# Allegro board FPGA-FINAL.brd (continued)
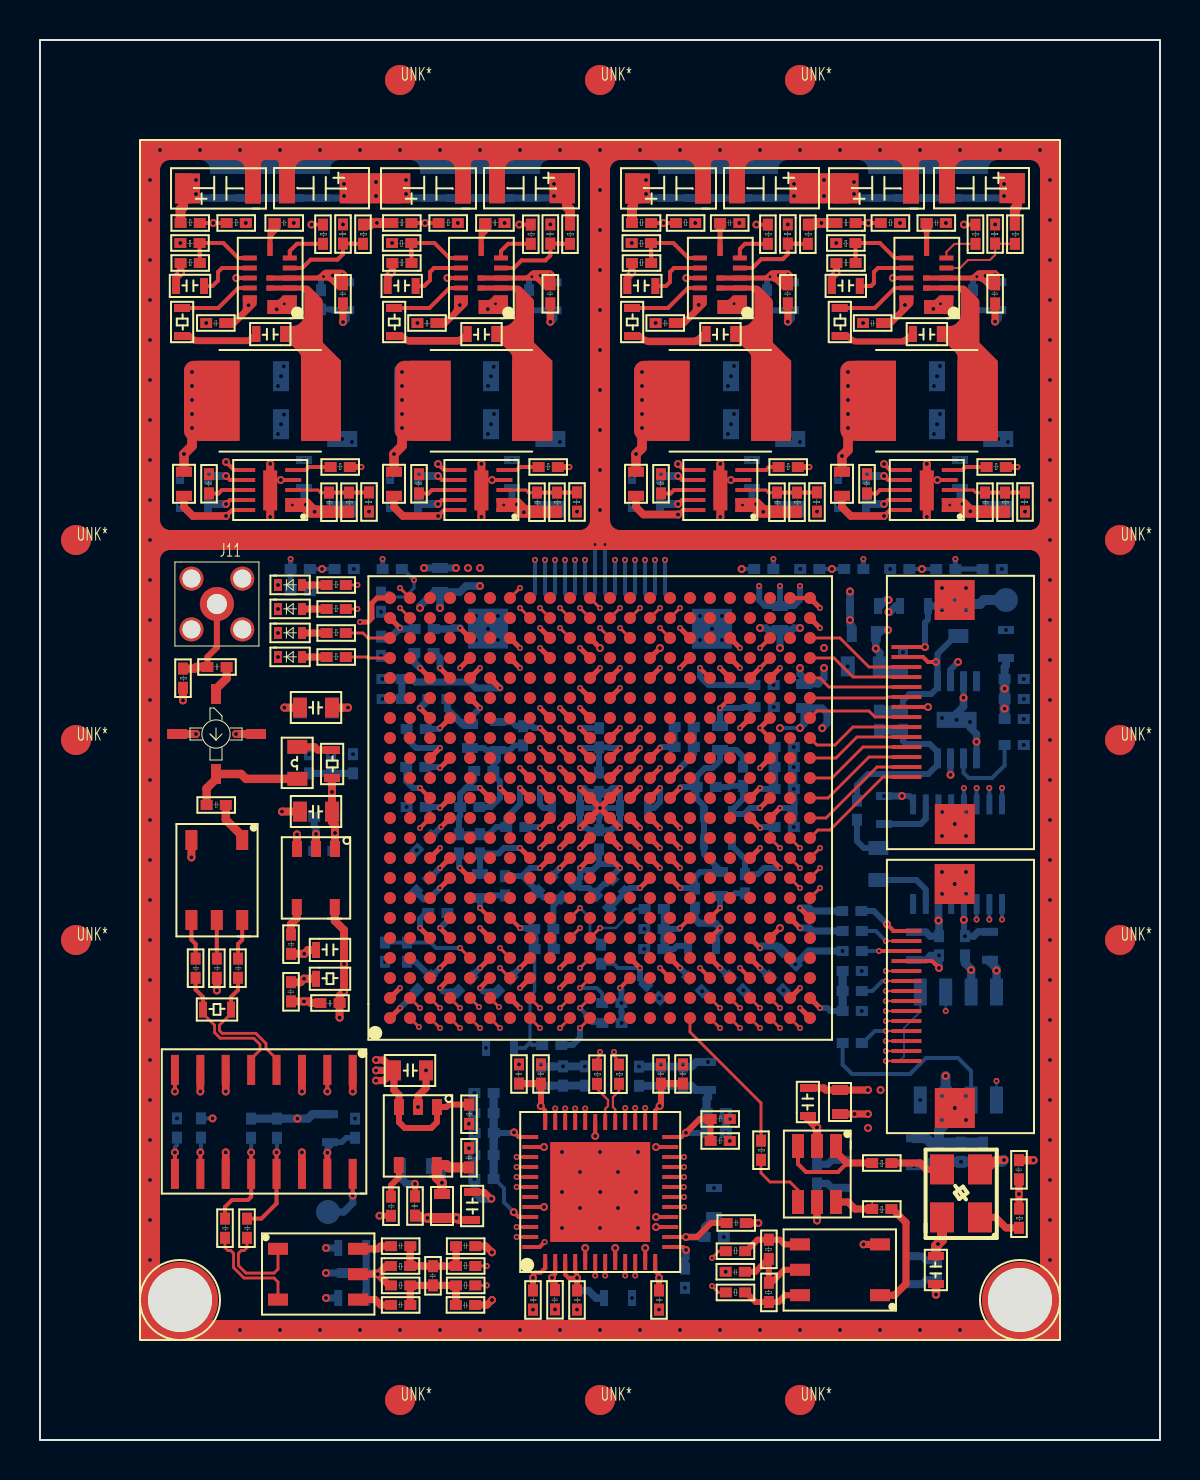
[diagram p0: board, top side]
## Placement (name value [footprint] x y rotation side) (continued)
NOREF#269  -  []  17.28 60.32 90 top
NOREF#270  -  []  38 8.51 90 top
NOREF#271  -  []  37.6 52.4 90 top
NOREF#272  -  []  17.88 14.01 90 top
NOREF#273  -  []  24.19 65.2 0 top
NOREF#274  -  []  11.09 62 0 top
NOREF#275  -  []  30.56 7.94 0 top
NOREF#276  -  []  15.55 42.06 90 top
NOREF#277  -  []  24.9 27.86 90 top
NOREF#278  -  []  29.7 17.39 90 top
NOREF#279  -  []  28.54 28.66 0 top
NOREF#280  -  []  19.66 16.74 0 top
NOREF#281  -  []  41.15 11.16 0 top
NOREF#282  -  []  37.99 17.7 0 top
NOREF#283  -  []  17.77 54.5 0 top
NOREF#284  -  []  5.89 58.3 0 top
NOREF#285  -  []  13.39 29.02 0 top
NOREF#286  -  []  18.01 9.2 90 top
NOREF#287  -  []  39.5 29.91 90 top
NOREF#288  -  []  6.09 47 90 top
NOREF#289  -  []  39.8 47.79 0 top
NOREF#290  -  []  16.41 10.01 0 top
NOREF#291  -  []  26.54 18.86 90 top
NOREF#292  -  []  17.28 58.11 0 top
NOREF#293  -  []  18.54 36.88 90 top
NOREF#294  -  []  7.52 15.62 0 top
NOREF#295  -  []  15.47 39.18 0 top
NOREF#296  -  []  15.35 32.9 0 top
NOREF#297  -  []  23.55 16.8 90 top
NOREF#298  -  []  15.44 21.46 90 top
NOREF#299  -  []  15.81 10.2 90 top
NOREF#300  -  []  9.13 22.01 90 top
NOREF#301  -  []  19.7 23.16 90 top
NOREF#302  -  []  14.27 43.94 90 top
NOREF#303  -  []  21.27 54.89 90 top
NOREF#304  -  []  21.15 21.25 0 top
NOREF#305  -  []  48.56 12.57 90 top
NOREF#306  -  []  20.57 5.58 90 top
NOREF#307  -  []  28.09 32 90 top
NOREF#308  -  []  16.67 37.44 90 top
NOREF#309  -  []  8.06 46.87 90 top
NOREF#310  -  []  16.67 38.22 0 top
NOREF#311  -  []  44.7 51.6 0 top
NOREF#312  -  []  23.19 47.5 90 top
NOREF#313  -  []  20.1 14.91 90 top
NOREF#314  -  []  21.4 15.6 0 top
NOREF#315  -  []  29.77 26.94 90 top
NOREF#316  -  []  37.99 16.1 90 top
NOREF#317  -  []  43.03 13.46 90 top
NOREF#318  -  []  29.77 27.72 0 top
NOREF#319  -  []  15.3 24.1 90 top
NOREF#320  -  []  47.77 36.66 0 top
NOREF#321  -  []  24.47 48.26 90 top
NOREF#322  -  []  45.71 6.6 90 top
NOREF#323  -  []  9.65 21.12 90 top
NOREF#324  -  []  8.17 59.68 0 top
NOREF#325  -  []  40.63 21.1 90 top
NOREF#326  -  []  33.55 61.24 0 top
NOREF#327  -  []  29.12 31.95 90 top
NOREF#328  -  []  33.97 32.26 0 top
NOREF#329  -  []  14.2 35.41 0 top
NOREF#330  -  []  10.47 59.68 0 top
NOREF#331  -  []  9.18 8.05 90 top
NOREF#332  -  []  12.16 25.73 0 top
NOREF#333  -  []  32.2 55.46 90 top
NOREF#334  -  []  10.05 57.68 90 top
NOREF#335  -  []  11.09 62 90 top
NOREF#336  -  []  28.6 18.17 0 top
NOREF#337  -  []  27.64 17.26 90 top
NOREF#338  -  []  20.63 59.68 90 top
NOREF#339  -  []  14.07 48.26 90 top
NOREF#340  -  []  34.7 31.71 0 top
NOREF#341  -  []  12.35 59.68 90 top
NOREF#342  -  []  18.82 29.83 90 top
NOREF#343  -  []  48.86 45.96 0 top
NOREF#344  -  []  39.6 18.5 0 top
NOREF#345  -  []  42.55 27.8 90 top
NOREF#346  -  []  34.4 54 0 top
NOREF#347  -  []  13.7 63.37 90 top
NOREF#348  -  []  28.7 31.2 90 top
NOREF#349  -  []  13.84 32.87 90 top
NOREF#350  -  []  24.54 35.87 90 top
NOREF#351  -  []  9.3 60.2 0 top
NOREF#352  -  []  14.27 44.72 0 top
NOREF#353  -  []  14.07 49.04 0 top
NOREF#354  -  []  9.73 55.46 90 top
NOREF#355  -  []  45.66 11.85 0 top
NOREF#356  -  []  21.26 16.18 0 top
NOREF#357  -  []  13.25 28.28 0 top
NOREF#358  -  []  16 14.01 0 top
NOREF#359  -  []  28.34 33.83 0 top
NOREF#360  -  []  34.86 26.87 0 top
NOREF#361  -  []  25.13 56.37 0 top
NOREF#362  -  []  24.47 49.04 0 top
NOREF#363  -  []  16.66 38.96 90 top
NOREF#364  -  []  21.59 62 0 top
NOREF#365  -  []  11.9 54 0 top
NOREF#366  -  []  12.8 35.95 90 top
NOREF#367  -  []  43.3 22.3 0 top
NOREF#368  -  []  41.27 25.06 0 top
NOREF#369  -  []  40.69 55.46 0 top
NOREF#370  -  []  33.6 34.3 90 top
NOREF#371  -  []  33.66 38.14 0 top
NOREF#372  -  []  21.1 37.6 0 top
NOREF#373  -  []  42.6 33.9 0 top
NOREF#374  -  []  30.74 59.68 0 top
NOREF#375  -  []  39.5 29.91 0 top
NOREF#376  -  []  35.19 47.5 90 top
NOREF#377  -  []  18.83 34.2 90 top
NOREF#378  -  []  8.5 46.39 90 top
NOREF#379  -  []  34.7 30.31 0 top
NOREF#380  -  []  27.75 24.16 90 top
NOREF#381  -  []  8.06 46.87 0 top
NOREF#382  -  []  36.09 63.6 90 top
NOREF#383  -  []  40.6 34.41 0 top
NOREF#384  -  []  13.98 14.01 90 top
NOREF#385  -  []  39.24 12.37 90 top
NOREF#386  -  []  39.52 60.32 90 top
NOREF#387  -  []  24.7 46.7 90 top
NOREF#388  -  []  35.87 58.71 0 top
NOREF#389  -  []  19 11.72 0 top
NOREF#390  -  []  10.8 35.95 0 top
NOREF#391  -  []  13.56 21.46 0 top
NOREF#392  -  []  41.3 48.61 90 top
NOREF#393  -  []  46.26 59.55 0 top
NOREF#394  -  []  18.11 55.1 90 top
NOREF#395  -  []  40.63 21.1 0 top
NOREF#396  -  []  30.56 4.45 90 top
NOREF#397  -  []  13.87 41.94 0 top
NOREF#398  -  []  45.59 47.5 0 top
NOREF#399  -  []  13.69 62 0 top
NOREF#400  -  []  34.61 18.48 0 top
NOREF#401  -  []  29.42 25.98 0 top
NOREF#402  -  []  37.86 58.71 0 top
NOREF#403  -  []  43.4 61.77 90 top
NOREF#404  -  []  17.19 12.5 0 top
NOREF#405  -  []  12.94 24.95 0 top
NOREF#406  -  []  20.15 21.89 0 top
NOREF#407  -  []  41.8 34.41 0 top
NOREF#408  -  []  6.09 47 0 top
NOREF#409  -  []  13.7 24.91 0 top
NOREF#410  -  []  47.09 23.91 90 top
NOREF#411  -  []  18.69 5.58 0 top
NOREF#412  -  []  15.7 41.87 0 top
NOREF#413  -  []  30.56 4.45 0 top
NOREF#414  -  []  39 41.9 90 top
NOREF#415  -  []  22.4 54 0 top
NOREF#416  -  []  21.61 32.35 0 top
NOREF#417  -  []  23.48 4.46 0 top
NOREF#418  -  []  15.13 28.28 90 top
NOREF#419  -  []  18.99 62 90 top
NOREF#420  -  []  26.46 7.94 0 top
NOREF#421  -  []  11.9 9.56 0 top
NOREF#422  -  []  38.99 45.6 90 top
NOREF#423  -  []  8.86 11.53 90 top
NOREF#424  -  []  39.67 23.06 90 top
NOREF#425  -  []  26.78 34.17 0 top
NOREF#426  -  []  24.66 17.36 0 top
NOREF#427  -  []  25.36 6.07 0 top
NOREF#428  -  []  15.84 45.95 90 top
NOREF#429  -  []  20.57 6.56 90 top
NOREF#430  -  []  39.67 19.46 0 top
NOREF#431  -  []  39.67 25.62 0 top
NOREF#432  -  []  13.72 23.07 90 top
NOREF#433  -  []  29.76 26.72 0 top
NOREF#434  -  []  23.82 6.56 90 top
NOREF#435  -  []  18.31 24.22 90 top
NOREF#436  -  []  0 0 90 top
NOREF#437  -  []  13.12 54.1 90 top
NOREF#438  -  []  36.47 48.26 90 top
NOREF#439  -  []  42.69 62 0 top
NOREF#440  -  []  36.09 65.2 0 top
NOREF#441  -  []  48.27 43.16 0 top
NOREF#442  -  []  12.5 60.2 90 top
NOREF#443  -  []  28.09 33.6 0 top
NOREF#444  -  []  14.76 56.37 90 top
NOREF#445  -  []  43.6 42.11 90 top
NOREF#446  -  []  36.17 43.02 90 top
NOREF#447  -  []  24.01 58.71 0 top
NOREF#448  -  []  47.77 36.66 90 top
NOREF#449  -  []  31.86 5.55 90 top
NOREF#450  -  []  12.68 14.01 90 top
NOREF#451  -  []  15.1 50 90 top
NOREF#452  -  []  30.7 24.3 90 top
NOREF#453  -  []  21.6 25.3 0 top
NOREF#454  -  []  37.64 60.32 0 top
NOREF#455  -  []  40.96 57.68 0 top
NOREF#456  -  []  33.49 62 0 top
NOREF#457  -  []  42.3 60.2 0 top
NOREF#458  -  []  10.11 26 90 top
NOREF#459  -  []  44.01 6.09 90 top
NOREF#460  -  []  47.37 56.37 0 top
NOREF#461  -  []  43.15 25.06 90 top
NOREF#462  -  []  39.65 25.28 0 top
NOREF#463  -  []  7.87 31.36 90 top
NOREF#464  -  []  13.06 32.87 0 top
NOREF#465  -  []  16.06 45.96 90 top
NOREF#466  -  []  33.87 11.24 0 top
NOREF#467  -  []  45.29 62 90 top
NOREF#468  -  []  42.9 43.7 0 top
NOREF#469  -  []  36.35 14.96 90 top
NOREF#470  -  []  12.42 33.83 0 top
NOREF#471  -  []  19.02 59.46 90 top
NOREF#472  -  []  31.27 36.04 90 top
NOREF#473  -  []  32.19 62 90 top
NOREF#474  -  []  13.62 58.71 0 top
NOREF#475  -  []  23.82 8.52 90 top
NOREF#476  -  []  46.87 49.04 0 top
NOREF#477  -  []  17.3 49.41 0 top
NOREF#478  -  []  23.56 17.36 0 top
NOREF#479  -  []  24.46 47.83 0 top
NOREF#480  -  []  47.9 50 90 top
NOREF#481  -  []  15.5 58.71 90 top
NOREF#482  -  []  37.96 56.38 90 top
NOREF#483  -  []  47.37 56.37 90 top
NOREF#484  -  []  30.66 17.36 0 top
NOREF#485  -  []  18.83 34.2 0 top
NOREF#486  -  []  48.86 45.96 90 top
NOREF#487  -  []  31.76 17.36 0 top
NOREF#488  -  []  42.57 55.46 90 top
NOREF#489  -  []  16.25 33.26 90 top
NOREF#490  -  []  40.45 43.16 90 top
NOREF#491  -  []  33.07 15.34 0 top
NOREF#492  -  []  31.01 59.46 90 top
NOREF#493  -  []  37.23 29.3 90 top
NOREF#494  -  []  48.56 12.57 0 top
NOREF#495  -  []  25.6 50 90 top
NOREF#496  -  []  40.96 59.68 0 top
NOREF#497  -  []  13.8 29.55 0 top
NOREF#498  -  []  30.74 57.68 0 top
NOREF#499  -  []  20.5 10.9 90 top
NOREF#500  -  []  41.63 42.38 90 top
NOREF#501  -  []  27.66 22.02 0 top
NOREF#502  -  []  15.1 52.4 90 top
NOREF#503  -  []  29.34 17.35 90 top
NOREF#504  -  []  22.23 14 90 top
NOREF#505  -  []  8.31 22.01 0 top
NOREF#506  -  []  43.55 54.89 90 top
NOREF#507  -  []  42.76 41.45 0 top
NOREF#508  -  []  34.79 63.6 90 top
NOREF#509  -  []  31.63 23.38 90 top
NOREF#510  -  []  27.9 46.39 0 top
NOREF#511  -  []  25.27 57.98 0 top
NOREF#512  -  []  36.7 46.7 90 top
NOREF#513  -  []  24.06 59.55 0 top
NOREF#514  -  []  36.27 32.16 0 top
NOREF#515  -  []  22.4 25.3 90 top
NOREF#516  -  []  47.77 35.66 0 top
NOREF#517  -  []  19 47.79 90 top
NOREF#518  -  []  18.9 48.61 90 top
NOREF#519  -  []  41.09 57.3 90 top
NOREF#520  -  []  21.81 60.46 90 top
NOREF#521  -  []  34.88 11.95 90 top
NOREF#522  -  []  46.59 62 90 top
NOREF#523  -  []  47.1 46.7 90 top
NOREF#524  -  []  25.89 58.71 90 top
NOREF#525  -  []  20.45 20 0 top
NOREF#526  -  []  43.3 11.99 0 top
NOREF#527  -  []  21.27 54.89 0 top
NOREF#528  -  []  47.77 38.44 90 top
NOREF#529  -  []  10.19 22.01 90 top
NOREF#530  -  []  25.87 24.16 0 top
NOREF#531  -  []  32.15 20.35 90 top
NOREF#532  -  []  35.39 16.6 90 top
NOREF#533  -  []  31.86 5.55 0 top
NOREF#534  -  []  18.6 22.81 0 top
NOREF#535  -  []  23.7 18.17 0 top
NOREF#536  -  []  40.96 46.87 0 top
NOREF#537  -  []  7.85 55.46 0 top
NOREF#538  -  []  42.84 59.68 90 top
NOREF#539  -  []  33.79 34.9 90 top
NOREF#540  -  []  22.01 10.9 90 top
NOREF#541  -  []  31.27 36.82 0 top
NOREF#542  -  []  29.13 59.46 0 top
NOREF#543  -  []  35.4 19 90 top
NOREF#544  -  []  45.29 62 0 top
NOREF#545  -  []  12.31 54.1 0 top
NOREF#546  -  []  21.59 62 90 top
NOREF#547  -  []  47.86 47.83 0 top
NOREF#548  -  []  15.8 34.6 90 top
NOREF#549  -  []  31.25 24.85 0 top
NOREF#550  -  []  15.62 58.71 0 top
NOREF#551  -  []  37.23 29.3 0 top
NOREF#552  -  []  11.55 30.8 90 top
NOREF#553  -  []  18.56 46.87 90 top
NOREF#554  -  []  16.27 7.96 0 top
NOREF#555  -  []  29.76 25.94 90 top
NOREF#556  -  []  27.85 58.71 90 top
NOREF#557  -  []  32.19 62 0 top
NOREF#558  -  []  15.26 32.87 0 top
NOREF#559  -  []  47.9 52.4 90 top
NOREF#560  -  []  18.75 57.68 0 top
NOREF#561  -  []  30.89 62 90 top
NOREF#562  -  []  34.37 9.76 0 top
NOREF#563  -  []  22.49 37.6 0 top
NOREF#564  -  []  48.7 46.7 90 top
NOREF#565  -  []  45.92 57.2 0 top
NOREF#566  -  []  39.35 59.46 0 top
NOREF#567  -  []  18.45 29.7 90 top
NOREF#568  -  []  33.07 16.44 0 top
NOREF#569  -  []  7.57 26 0 top
NOREF#570  -  []  17.05 26.25 0 top
NOREF#571  -  []  15.06 47.83 0 top
NOREF#572  -  []  29.2 55.1 0 top
NOREF#573  -  []  6.56 59.46 0 top
NOREF#574  -  []  41.39 62 0 top
NOREF#575  -  []  29.75 23.38 0 top
NOREF#576  -  []  34.88 11.95 0 top
NOREF#577  -  []  17.14 59.46 0 top
NOREF#578  -  []  25.13 56.37 90 top
NOREF#579  -  []  35.43 6.21 0 top
NOREF#580  -  []  47.04 57.67 90 top
NOREF#581  -  []  16.51 20.1 0 top
NOREF#582  -  []  41.9 10.41 0 top
NOREF#583  -  []  50.09 58.71 90 top
NOREF#584  -  []  22.49 36 90 top
NOREF#585  -  []  6.7 58.11 0 top
NOREF#586  -  []  48.12 58.71 90 top
NOREF#587  -  []  25.36 6.07 90 top
NOREF#588  -  []  46.64 23.77 90 top
NOREF#589  -  []  26.13 24.38 90 top
NOREF#590  -  []  30.42 27.89 90 top
NOREF#591  -  []  23.19 47.5 0 top
NOREF#592  -  []  43.41 32.3 90 top
NOREF#593  -  []  40.63 20.1 0 top
NOREF#594  -  []  43.03 11.16 90 top
NOREF#595  -  []  40.2 61.77 0 top
NOREF#596  -  []  18.75 59.68 0 top
NOREF#597  -  []  37.15 57.98 0 top
NOREF#598  -  []  29.8 61.77 0 top
NOREF#599  -  []  26.46 45.96 90 top
NOREF#600  -  []  11.25 22.01 90 top
NOREF#601  -  []  35.02 22.08 0 top
NOREF#602  -  []  12.42 33.83 90 top
NOREF#603  -  []  22.23 14 0 top
NOREF#604  -  []  38.57 7.4 90 top
NOREF#605  -  []  44.39 9.3 0 top
NOREF#606  -  []  38.35 20.75 90 top
NOREF#607  -  []  22.86 26.77 0 top
NOREF#608  -  []  20.15 28.89 0 top
NOREF#609  -  []  5.98 35.55 0 top
NOREF#610  -  []  25.46 47.83 0 top
NOREF#611  -  []  16.59 45.6 0 top
NOREF#612  -  []  28.24 17.35 90 top
NOREF#613  -  []  32.94 59.68 0 top
NOREF#614  -  []  30.82 21.68 0 top
NOREF#615  -  []  19.5 20.35 0 top
NOREF#616  -  []  43.87 60.46 90 top
NOREF#617  -  []  50.29 33.4 90 top
NOREF#618  -  []  16.66 39.74 0 top
NOREF#619  -  []  41.8 34.41 90 top
NOREF#620  -  []  36.32 32.25 90 top
NOREF#621  -  []  49.51 33.4 0 top
NOREF#622  -  []  18.9 10.11 90 top
NOREF#623  -  []  33 61.77 90 top
NOREF#624  -  []  39.49 58.11 0 top
NOREF#625  -  []  14.74 26.65 90 top
NOREF#626  -  []  14.3 46.7 90 top
NOREF#627  -  []  37.74 58.71 90 top
NOREF#628  -  []  25.77 60.32 0 top
NOREF#629  -  []  40.19 38.05 90 top
NOREF#630  -  []  37.02 22.08 0 top
NOREF#631  -  []  46.87 48.26 90 top
NOREF#632  -  []  16.86 21.85 0 top
NOREF#633  -  []  23.15 26.25 0 top
NOREF#634  -  []  17.63 42.2 0 top
NOREF#635  -  []  36.27 32.16 90 top
NOREF#636  -  []  21.5 19.1 90 top
NOREF#637  -  []  47.09 23.91 0 top
NOREF#638  -  []  26.78 34.17 90 top
NOREF#639  -  []  33.6 34.3 0 top
NOREF#640  -  []  40.4 55.1 90 top
NOREF#641  -  []  19.84 13.75 90 top
NOREF#642  -  []  9.37 22.01 0 top
NOREF#643  -  []  16.25 34.04 0 top
NOREF#644  -  []  39.4 36.4 90 top
NOREF#645  -  []  25.24 45.95 90 top
NOREF#646  -  []  21.2 10.9 0 top
NOREF#647  -  []  16.06 45.96 0 top
NOREF#648  -  []  13.01 62.2 0 top
NOREF#649  -  []  44.56 11.85 90 top
NOREF#650  -  []  30.87 57.3 90 top
NOREF#651  -  []  13.48 34.11 0 top
NOREF#652  -  []  20.48 22.81 90 top
NOREF#653  -  []  13.87 43.14 0 top
NOREF#654  -  []  35.39 44.9 0 top
NOREF#655  -  []  17.8 61.77 0 top
NOREF#656  -  []  31.8 60.2 0 top
NOREF#657  -  []  24.26 4.45 0 top
NOREF#658  -  []  5.98 35.55 90 top
NOREF#659  -  []  46.24 58.71 0 top
NOREF#660  -  []  39.67 24.84 90 top
NOREF#661  -  []  21.78 8.23 90 top
NOREF#662  -  []  35.43 8.27 0 top
NOREF#663  -  []  26.09 56.38 90 top
NOREF#664  -  []  19.66 12.66 90 top
NOREF#665  -  []  26.53 18.58 90 top
NOREF#666  -  []  38.46 45.96 90 top
NOREF#667  -  []  38.51 8.9 90 top
NOREF#668  -  []  20.25 23.71 0 top
NOREF#669  -  []  39.75 42.38 0 top
NOREF#670  -  []  37.31 6.21 90 top
NOREF#671  -  []  25.82 30.81 90 top
NOREF#672  -  []  44.39 7.7 90 top
NOREF#673  -  []  47.09 39 90 top
NOREF#674  -  []  33.8 19.81 0 top
NOREF#675  -  []  20.29 62 90 top
NOREF#676  -  []  29.7 18.17 0 top
NOREF#677  -  []  41.53 25.28 90 top
NOREF#678  -  []  33.29 14.3 0 top
NOREF#679  -  []  46.55 22.4 0 top
NOREF#680  -  []  17.35 39.18 90 top
NOREF#681  -  []  43.99 63.6 90 top
NOREF#682  -  []  17.08 8.31 0 top
NOREF#683  -  []  29.7 7.51 0 top
NOREF#684  -  []  36.69 7.4 0 top
NOREF#685  -  []  36.25 9.76 90 top
NOREF#686  -  []  35.96 59.55 0 top
NOREF#687  -  []  40.96 46.87 90 top
NOREF#688  -  []  8.49 62 0 top
NOREF#689  -  []  7.25 22.01 0 top
NOREF#690  -  []  47.77 35.66 90 top
NOREF#691  -  []  14.1 15.6 0 top
NOREF#692  -  []  12.1 14.01 0 top
NOREF#693  -  []  20.1 15.69 0 top
NOREF#694  -  []  18.95 37.44 0 top
NOREF#695  -  []  15.4 60.32 0 top
NOREF#696  -  []  29.4 49.41 0 top
NOREF#697  -  []  43.54 39.57 90 top
NOREF#698  -  []  14.84 45.95 90 top
NOREF#699  -  []  46.23 42.38 90 top
NOREF#700  -  []  16.66 38.75 90 top
NOREF#701  -  []  16.59 45.6 90 top
NOREF#702  -  []  32.36 24.55 0 top
NOREF#703  -  []  44.11 11.99 90 top
NOREF#704  -  []  22 43.8 90 top
NOREF#705  -  []  20.4 44.6 0 top
NOREF#706  -  []  36.27 34.26 0 top
NOREF#707  -  []  18.88 57.3 90 top
NOREF#708  -  []  5.89 56.7 90 top
NOREF#709  -  []  20.15 28.89 90 top
NOREF#710  -  []  48.01 60.32 0 top
NOREF#711  -  []  38.99 45.6 0 top
NOREF#712  -  []  9.79 62 0 top
NOREF#713  -  []  37.04 25.06 90 top
NOREF#714  -  []  48.22 58.71 0 top
NOREF#715  -  []  43.92 17 90 top
NOREF#716  -  []  25.76 20.74 0 top
NOREF#717  -  []  13.87 41.16 90 top
NOREF#718  -  []  35.5 25.11 90 top
NOREF#719  -  []  19.66 13.44 0 top
NOREF#720  -  []  16.66 40.63 0 top
NOREF#721  -  []  12.94 23.85 90 top
NOREF#722  -  []  15.9 7.02 90 top
NOREF#723  -  []  33.55 60.46 90 top
NOREF#724  -  []  39.67 23.06 0 top
NOREF#725  -  []  26.3 46.7 90 top
NOREF#726  -  []  37.4 42.7 0 top
NOREF#727  -  []  35.5 24.3 90 top
NOREF#728  -  []  23.82 7.53 90 top
NOREF#729  -  []  38 7.24 0 top
NOREF#730  -  []  23.7 25.7 90 top
NOREF#731  -  []  18.95 31.26 90 top
NOREF#732  -  []  24.25 24.38 0 top
NOREF#733  -  []  11.55 30.8 90 top
NOREF#734  -  []  37.87 33.26 0 top
NOREF#735  -  []  30.75 27.31 90 top
NOREF#736  -  []  14.17 29.02 90 top
NOREF#737  -  []  17.4 47.79 0 top
NOREF#738  -  []  12.79 47.5 0 top
NOREF#739  -  []  9.18 8.05 0 top
NOREF#740  -  []  21.94 8.52 0 top
NOREF#741  -  []  25.97 58.71 0 top
NOREF#742  -  []  33.07 14.56 90 top
R49  100K  [R0402]  8 61.1 180 top
R50  DNP  [R0402]  10.3 61.1 180 top
R51  100K  [R0402]  18.58 61.1 180 top
R52  DNP  [R0402]  20.9 61.1 180 top
R53  100K  [R0402]  30.57 61.1 180 top
R54  DNP  [R0402]  32.77 61.1 180 top
R55  100K  [R0402]  40.79 61.1 180 top
R56  DNP  [R0402]  43.01 61.1 180 top
R57  100K  [R0402]  14.4 59.8 90 top
R58  787K  [R0402]  14.9 60.79 270 top
R59  DNP  [R0402]  16.4 59.8 90 top
R60  100K  [R0402]  24.79 59.8 90 top
R61  499K  [R0402]  25.27 60.79 270 top
R62  DNP  [R0402]  26.75 59.8 90 top
R63  100K  [R0402]  36.65 59.8 90 top
R64  180K  [R0402]  37.14 60.79 270 top
R65  DNP  [R0402]  38.64 59.8 90 top
R66  100K  [R0402]  47.02 59.8 90 top
R67  180K  [R0402]  47.51 60.79 270 top
R68  DNP  [R0402]  48.99 59.8 90 top
R69  40.2K  [R0402]  7.01 59.6 0 top
R70  40.2K  [R0402]  17.59 59.6 0 top
R71  40.2K  [R0402]  29.58 59.6 0 top
R72  40.2K  [R0402]  39.8 59.6 0 top
R75  328K  [R0402]  8 59.1 180 top
R76  240K  [R0402]  18.58 59.1 180 top
R77  180K  [R0402]  30.57 59.1 180 top
R78  100K  [R0402]  40.79 59.1 180 top
R86  0  [R0603]  6.7 56.7 270 top
R87  0  [R0603]  17.3 56.7 270 top
R88  0  [R0603]  29.2 56.7 270 top
R89  0  [R0603]  39.59 56.7 270 top
R133  1K  [R0402]  15.3 40.6 180 top
R136  1K  [R0402]  15.3 43 180 top
R137  1K  [R0402]  15.3 41.8 180 top
R139  10K  [R0603]  42.9 42.1 0 bottom
R142  49.9  [R0402]  7.4 37.6 90 top
R146  10K  [R0402]  41.7 35.5 90 bottom
R148  39  [R0603]  14.2 34.6 270 top
R151  5.1K  [R0402]  40.6 31 90 bottom
R161  10  [R0603]  13.7 22.66 0 top
R162  51  [R0603]  8.05 21.12 0 top
R166  1K  [R0402]  49.2 10.6 90 top
R167  100  [R0402]  28.1 17.8 90 top
R169  100  [R0402]  29.2 17.8 90 top
R174  25  [R0402]  41.1 19.6 180 bottom
R177  100  [R0402]  36.3 14 90 top
R185  33  [R0402]  41.6 13.6 0 top
R188  100  [R0402]  41.6 11.3 0 top
R191  49.9  [R0402]  36.19 10.02 270 top
R192  33  [R0402]  35.26 9.69 180 top
R193  DNP  [R0402]  17.53 8.45 0 top
R194  33  [R0402]  21.77 8.95 180 top
R195  DNP  [R0402]  18.52 7.98 180 top
R196  33  [R0402]  21.77 7.98 180 top
R197  33  [R0402]  35.26 7.63 180 top
R198  49.9  [R0402]  36.19 7.87 270 top
R293  10K  [R0402]  35.7 43.8 0 bottom
R294  0  [R0402]  16.8 41.4 90 bottom
R295  DNP  [R0402]  18.1 43.3 180 bottom
R307  DNP  [R0402]  38 43.8 0 bottom
R310  DNP  [R0402]  13.5 43.3 180 bottom
R311  0  [R0402]  40.2 43.8 0 bottom
R313  0  [R0402]  15.7 43.3 180 bottom
R314  DNP  [R0402]  44.8 43.8 0 bottom
R319  0  [R0402]  42.5 43.8 0 bottom
R351  10K  [R0402]  27.8 23.8 90 bottom
R352  1K  [R0402]  25.1 20 0 bottom
R353  1K  [R0402]  29.09 20.6 180 bottom
R355  10K  [R0402]  18.1 23.9 90 bottom
R356  1K  [R0402]  31.2 26.3 180 bottom
R357  10K  [R0402]  28.1 22.1 0 bottom
R362  10K  [R0402]  41.1 22.2 180 bottom
R364  10  [R0603]  14.1 14.79 90 bottom
R365  51  [R0402]  11.6 15.1 90 bottom
R366  51  [R0402]  10.3 15.1 90 bottom
R367  51  [R0402]  7.1 16.09 270 bottom
R375  10K  [R0402]  41.1 25.2 180 bottom
R377  1K  [R0402]  15.3 39.4 180 top
R378  11.8K  [R0402]  49 47.39 270 top
R379  5.9K  [R0402]  48.5 46.4 90 top
R380  20K  [R0402]  48.3 48.9 180 top
R381  2.43K  [R0402]  38.1 46.4 90 top
R382  1.15K  [R0402]  38.6 47.39 270 top
R383  20K  [R0402]  37.9 48.9 180 top
R384  3.57K  [R0402]  26.1 46.4 90 top
R385  1.15K  [R0402]  26.6 47.39 270 top
R386  20K  [R0402]  25.9 48.9 180 top
R387  10.5K  [R0402]  15.7 46.4 90 top
R388  2K  [R0402]  16.2 47.39 270 top
R389  20K  [R0402]  15.5 48.9 180 top
T2  ETC1-1T-2TR  [SM-22]  10.75 29.9 180 top
T3  ETC1-1T-2TR  [SM-22]  41.9 6.6 90 top
T4  ETC1-1T-2TR  [SM-22]  12 10.2 270 top
TP23  T POINT S  [TP_SMD_CIR_1D2]  14.4 11.4 180 bottom
TP51  T POINT R  [SCREW-M3]  49 7 0 top
TP52  T POINT R  [SCREW-M3]  7 7 0 top
TP53  T POINT S  [TP_SMD_CIR_1D2]  48.3 42 180 bottom
U11  MP2326GD  [QFN-14]  11.5 58.1 180 top
U12  MP2326GD  [QFN-14]  22.06 58.1 180 top
U13  MP2326GD  [QFN-14]  34.01 58.1 180 top
U14  MP2326GD  [QFN-14]  44.33 58.1 180 top
U18  TPA711  [MSOP-8-PAD]  46.83 37.7 180 bottom
U20  EP4CE40F23I7  [FBGA-484]  17.5 21.1 90 top
U23  SGM2028-3.3  [SOT-23-5]  13.8 28.1 180 top
U24  PCM1754  [SSOP-16]  43.4 26.2 90 bottom
U29  SGM2028-3.3  [SOT-23-5]  18.9 15.2 180 top
U30  AD8306AR  [SO-16]  11.2 15.9 180 top
U32  SN74LVC2G34DBVR  [SOT-23-6]  39.8 14.7 270 top
U33  LTC2207  [QFN-48]  28.01 12.4 90 top
U49  EPCQ16ASI8N  [SO-8]  47.83 22.4 180 bottom
U50  TPS7A9201DSKR  [WSON-10]  45.49 46.5 180 top
U51  TPS7A9201DSKR  [WSON-10]  35.16 46.5 180 top
U52  TPS7A9201DSKR  [WSON-10]  23.22 46.5 180 top
U53  TPS7A9201DSKR  [WSON-10]  12.66 46.5 180 top
UNK*  -  [unnamed#2]  18 68 0 top
UNK*#2  -  [unnamed#2]  1.8 45 0 top
UNK*#3  -  [unnamed#2]  54 35 0 top
UNK*#4  -  [unnamed#2]  54 25 0 top
UNK*#5  -  [unnamed#2]  1.8 35 0 top
UNK*#6  -  [unnamed#2]  38 2 0 top
UNK*#7  -  [unnamed#2]  28 2 0 top
UNK*#8  -  [unnamed#2]  54 45 0 top
UNK*#9  -  [unnamed#2]  1.8 25 0 top
UNK*#10  -  [unnamed#2]  38 68 0 top
UNK*#11  -  [unnamed#2]  28 68 0 top
UNK*#12  -  [unnamed#2]  18 2 0 top
UNK*#13  -  [unnamed#2]  54 35 180 bottom
UNK*#14  -  [unnamed#2]  28 2 180 bottom
UNK*#15  -  [unnamed#2]  1.8 35 180 bottom
UNK*#16  -  [unnamed#2]  18 2 180 bottom
UNK*#17  -  [unnamed#2]  38 68 180 bottom
UNK*#18  -  [unnamed#2]  38 2 180 bottom
UNK*#19  -  [unnamed#2]  1.8 25 180 bottom
UNK*#20  -  [unnamed#2]  54 45 180 bottom
UNK*#21  -  [unnamed#2]  1.8 45 180 bottom
UNK*#22  -  [unnamed#2]  18 68 180 bottom
UNK*#23  -  [unnamed#2]  28 68 180 bottom
UNK*#24  -  [unnamed#2]  54 25 180 bottom
Y4  KC3225A49.1520C30E00  [TSX-3225-4P]  47.3 10.7 90 top

## Library data of the parts
A1 = ERA-2SM
C61-C72 C75-C82 C84-C91 C103-C106 C115 C120 C124-C129 C131 C133 C135 C140 C144 C147 C148 C150-C152 C165 C184 C186 C191-C193 C198-C202 C204-C210 C212-C214 C217 C218 C364-C387 C463-C465 C468-C471 C473 C474 C478 C480-C486 C490 C491 C498-C502 C505-C508 C510-C512 C514 C516 C517 C519-C521 C523 C524 C526 C530 C533 C534 C540 C541 C544 C545 C548-C552 C554-C559 C561-C565 C575 C577-C589 C593 C597-C599 C602 C608 C612-C616 C637-C677 = CAP NP
C143 C145 C146 C149 C164 C171-C173 C175 C211 C215 C216 C221 C604 C605 = CAP NP: signal model: DEFAULT_CAPACITOR_100000pF_2_1
C219 C242 C243 C617 = CAP NP: signal model: DEFAULT_CAPACITOR_1e+06pF_2_1
C220 C222 C244 = CAP NP: signal model: DEFAULT_CAPACITOR_8.200000pF_2_1
D11-D14 = LED
J9 J10 J12 = FPC-14P-0.5
J11 = SMA-CONNECTOR
L7-L10 = INDUCTOR
L13-L16 L18 L21 L22 L35-L41 = BEAD
L19 = INDUCTOR: signal model: DEFAULT_INDUCTOR_1000nH_2_1
R49-R72 R75-R78 R86-R89 R133 R136 R137 R139 R146 R151 R166 R167 R169 R177 R188 R293 R351 R355 R357 R362 R375 R377-R389 = R
R142 R191 R198 = R: signal model: DEFAULT_RESISTOR_49.900000OHM_2_1
R148 R161 R162 R185 R364-R367 = R: signal model: DEFAULT_RESISTOR_39.000000OHM_2_1
R174 R192-R197 R294 R295 R307 R310 R311 R313 R314 R319 R352 R353 R356 = R: signal model: DEFAULT_RESISTOR_22.000000OHM_2_1
T2-T4 = ADT2-1T+_0
TP23 TP53 = T POINT S
TP51 TP52 = T POINT R
U11-U14 = MP2326GD
U18 = TPA711
U20 = EP4CE40F23I7_6
U23 U29 = SGM2028-3.3
U24 = PCM1754
U30 = AD8306AR_0
U32 = SN74LVC2G34DBV
U33 = LTC2207
U49 = EPCS4SI8N_0
U50-U53 = TPS7A9201DSKR
Y4 = OSCILLATOR

## Footprints (pads in the part's own frame, mm; a bottom-side part is the same pattern mirrored in y, then rotated)
C0402
  rect 0.6x0.5 smd: 1(0.01,0.25) 2(0.97,0.25)
C0603
  rect 0.4x0.8 smd: 1(0.1,0.4) 2(1.5,0.4)
C0805
  rect 0.7x1 smd: 1(0.2,0.62) 2(1.8,0.62)
C1206
  rect 0.8x1.5 smd: 1(-0.15,0.79) 2(3.35,0.79)
CD54-IND-2P
  rect 2x4 smd: 1(0,2.54) 2(5.08,2.54)
ERA-2SM
  rect 1x0.5 smd: 1(-2,0) 3(2,0)
  rect 0.5x1 smd: 2(0,-1.945) 4(0,2)
FB0603
  rect 0.5x0.8 smd: 1(0.2,0.4) 2(1.4,0.4)
FBGA-484
  round 0.6 smd: A1(0,0) A2(1,0) A3(2,0) A4(3,0) A5(4,0) A6(5,0) A7(6,0) A8(7,0) A9(8,0) A10(9,0) A11(10,0) A12(11,0) A13(12,0) A14(13,0) A15(14,0) A16(15,0) A17(16,0) A18(17,0) A19(18,0) A20(19,0) A21(20,0) A22(21,0) AA1(0,-20) AA2(1,-20) AA3(2,-20) AA4(3,-20) AA5(4,-20) AA6(5,-20) AA7(6,-20) AA8(7,-20) AA9(8,-20) AA10(9,-20) AA11(10,-20) AA12(11,-20) AA13(12,-20) AA14(13,-20) AA15(14,-20) AA16(15,-20) AA17(16,-20) AA18(17,-20) AA19(18,-20) AA20(19,-20) AA21(20,-20) AA22(21,-20) AB1(0,-21) AB2(1,-21) AB3(2,-21) AB4(3,-21) AB5(4,-21) AB6(5,-21) AB7(6,-21) AB8(7,-21) AB9(8,-21) AB10(9,-21) AB11(10,-21) AB12(11,-21) AB13(12,-21) AB14(13,-21) AB15(14,-21) AB16(15,-21) AB17(16,-21) AB18(17,-21) AB19(18,-21) AB20(19,-21) AB21(20,-21) AB22(21,-21) B1(0,-1) B2(1,-1) B3(2,-1) B4(3,-1) B5(4,-1) B6(5,-1) B7(6,-1) B8(7,-1) B9(8,-1) B10(9,-1) B11(10,-1) B12(11,-1) B13(12,-1) B14(13,-1) B15(14,-1) B16(15,-1) B17(16,-1) B18(17,-1) B19(18,-1) B20(19,-1) B21(20,-1) B22(21,-1) C1(0,-2) C2(1,-2) C3(2,-2) C4(3,-2) C5(4,-2) C6(5,-2) C7(6,-2) C8(7,-2) C9(8,-2) C10(9,-2) C11(10,-2) C12(11,-2) C13(12,-2) C14(13,-2) C15(14,-2) C16(15,-2) C17(16,-2) C18(17,-2) C19(18,-2) C20(19,-2) C21(20,-2) C22(21,-2) D1(0,-3) D2(1,-3) D3(2,-3) D4(3,-3) D5(4,-3) D6(5,-3) D7(6,-3) D8(7,-3) D9(8,-3) D10(9,-3) D11(10,-3) D12(11,-3) D13(12,-3) D14(13,-3) D15(14,-3) D16(15,-3) D17(16,-3) D18(17,-3) D19(18,-3) D20(19,-3) D21(20,-3) D22(21,-3) E1(0,-4) E2(1,-4) E3(2,-4) E4(3,-4) E5(4,-4) E6(5,-4) E7(6,-4) E8(7,-4) E9(8,-4) E10(9,-4) E11(10,-4) E12(11,-4) E13(12,-4) E14(13,-4) E15(14,-4) E16(15,-4) E17(16,-4) E18(17,-4) E19(18,-4) E20(19,-4) E21(20,-4) E22(21,-4) F1(0,-5) F2(1,-5) F3(2,-5) F4(3,-5) F5(4,-5) F6(5,-5) F7(6,-5) F8(7,-5) F9(8,-5) F10(9,-5) F11(10,-5) F12(11,-5) F13(12,-5) F14(13,-5) F15(14,-5) F16(15,-5) F17(16,-5) F18(17,-5) F19(18,-5) F20(19,-5) F21(20,-5) F22(21,-5) G1(0,-6) G2(1,-6) G3(2,-6) G4(3,-6) G5(4,-6) G6(5,-6) G7(6,-6) G8(7,-6) G9(8,-6) G10(9,-6) G11(10,-6) G12(11,-6) G13(12,-6) G14(13,-6) G15(14,-6) G16(15,-6) G17(16,-6) G18(17,-6) G19(18,-6) G20(19,-6) G21(20,-6) G22(21,-6) H1(0,-7) H2(1,-7) H3(2,-7) H4(3,-7) H5(4,-7) H6(5,-7) H7(6,-7) H8(7,-7) H9(8,-7) H10(9,-7) H11(10,-7) H12(11,-7) H13(12,-7) H14(13,-7) H15(14,-7) H16(15,-7) H17(16,-7) H18(17,-7) H19(18,-7) H20(19,-7) H21(20,-7) H22(21,-7) J1(0,-8) J2(1,-8) J3(2,-8) J4(3,-8) J5(4,-8) J6(5,-8) J7(6,-8) J8(7,-8) J9(8,-8) J10(9,-8) J11(10,-8) J12(11,-8) J13(12,-8) J14(13,-8) J15(14,-8) J16(15,-8) J17(16,-8) J18(17,-8) J19(18,-8) J20(19,-8) J21(20,-8) J22(21,-8) K1(0,-9) K2(1,-9) K3(2,-9) K4(3,-9) K5(4,-9) K6(5,-9) K7(6,-9) K8(7,-9) K9(8,-9) K10(9,-9) K11(10,-9) K12(11,-9) K13(12,-9) K14(13,-9) K15(14,-9) K16(15,-9) K17(16,-9) K18(17,-9) K19(18,-9) K20(19,-9) K21(20,-9) K22(21,-9) L1(0,-10) L2(1,-10) L3(2,-10) L4(3,-10) L5(4,-10) L6(5,-10) L7(6,-10) L8(7,-10) L9(8,-10) L10(9,-10) L11(10,-10) L12(11,-10) L13(12,-10) L14(13,-10) L15(14,-10) L16(15,-10) L17(16,-10) L18(17,-10) L19(18,-10) L20(19,-10) L21(20,-10) L22(21,-10) M1(0,-11) M2(1,-11) M3(2,-11) M4(3,-11) M5(4,-11) M6(5,-11) M7(6,-11) M8(7,-11) M9(8,-11) M10(9,-11) M11(10,-11) M12(11,-11) M13(12,-11) M14(13,-11) M15(14,-11) M16(15,-11) M17(16,-11) M18(17,-11) M19(18,-11) M20(19,-11) M21(20,-11) M22(21,-11) N1(0,-12) N2(1,-12) N3(2,-12) N4(3,-12) N5(4,-12) N6(5,-12) N7(6,-12) N8(7,-12) N9(8,-12) N10(9,-12) N11(10,-12) N12(11,-12) N13(12,-12) N14(13,-12) N15(14,-12) N16(15,-12) N17(16,-12) N18(17,-12) N19(18,-12) N20(19,-12) N21(20,-12) N22(21,-12) P1(0,-13) P2(1,-13) P3(2,-13) P4(3,-13) P5(4,-13) P6(5,-13) P7(6,-13) P8(7,-13) P9(8,-13) P10(9,-13) P11(10,-13) P12(11,-13) P13(12,-13) P14(13,-13) P15(14,-13) P16(15,-13) P17(16,-13) P18(17,-13) P19(18,-13) P20(19,-13) P21(20,-13) P22(21,-13) R1(0,-14) R2(1,-14) R3(2,-14) R4(3,-14) R5(4,-14) R6(5,-14) R7(6,-14) R8(7,-14) R9(8,-14) R10(9,-14) R11(10,-14) R12(11,-14) R13(12,-14) R14(13,-14) R15(14,-14) R16(15,-14) R17(16,-14) R18(17,-14) R19(18,-14) R20(19,-14) R21(20,-14) R22(21,-14) T1(0,-15) T2(1,-15) T3(2,-15) T4(3,-15) T5(4,-15) T6(5,-15) T7(6,-15) T8(7,-15) T9(8,-15) T10(9,-15) T11(10,-15) T12(11,-15) T13(12,-15) T14(13,-15) T15(14,-15) T16(15,-15) T17(16,-15) T18(17,-15) T19(18,-15) T20(19,-15) T21(20,-15) T22(21,-15) U1(0,-16) U2(1,-16) U3(2,-16) U4(3,-16) U5(4,-16) U6(5,-16) U7(6,-16) U8(7,-16) U9(8,-16) U10(9,-16) U11(10,-16) U12(11,-16) U13(12,-16) U14(13,-16) U15(14,-16) U16(15,-16) U17(16,-16) U18(17,-16) U19(18,-16) U20(19,-16) U21(20,-16) U22(21,-16) V1(0,-17) V2(1,-17) V3(2,-17) V4(3,-17) V5(4,-17) V6(5,-17) V7(6,-17) V8(7,-17) V9(8,-17) V10(9,-17) V11(10,-17) V12(11,-17) V13(12,-17) V14(13,-17) V15(14,-17) V16(15,-17) V17(16,-17) V18(17,-17) V19(18,-17) V20(19,-17) V21(20,-17) V22(21,-17) W1(0,-18) W2(1,-18) W3(2,-18) W4(3,-18) W5(4,-18) W6(5,-18) W7(6,-18) W8(7,-18) W9(8,-18) W10(9,-18) W11(10,-18) W12(11,-18) W13(12,-18) W14(13,-18) W15(14,-18) W16(15,-18) W17(16,-18) W18(17,-18) W19(18,-18) W20(19,-18) W21(20,-18) W22(21,-18) Y1(0,-19) Y2(1,-19) Y3(2,-19) Y4(3,-19) Y5(4,-19) Y6(5,-19) Y7(6,-19) Y8(7,-19) Y9(8,-19) Y10(9,-19) Y11(10,-19) Y12(11,-19) Y13(12,-19) Y14(13,-19) Y15(14,-19) Y16(15,-19) Y17(16,-19) Y18(17,-19) Y19(18,-19) Y20(19,-19) Y21(20,-19) Y22(21,-19)
